# Altium PCB NURIP.PcbDoc (part 10 of 14)
Units mil, origin at the board's own origin, x right, y up, seen from the top; angles counter-clockwise.
Board outline 7096.64 x 6702.94 mil, 6 copper layers (L1, L2, L3, L4, L5, L6), stack 48.469 mil thick; 305 components, 426 nets, 2172 pads, 1040 vias.
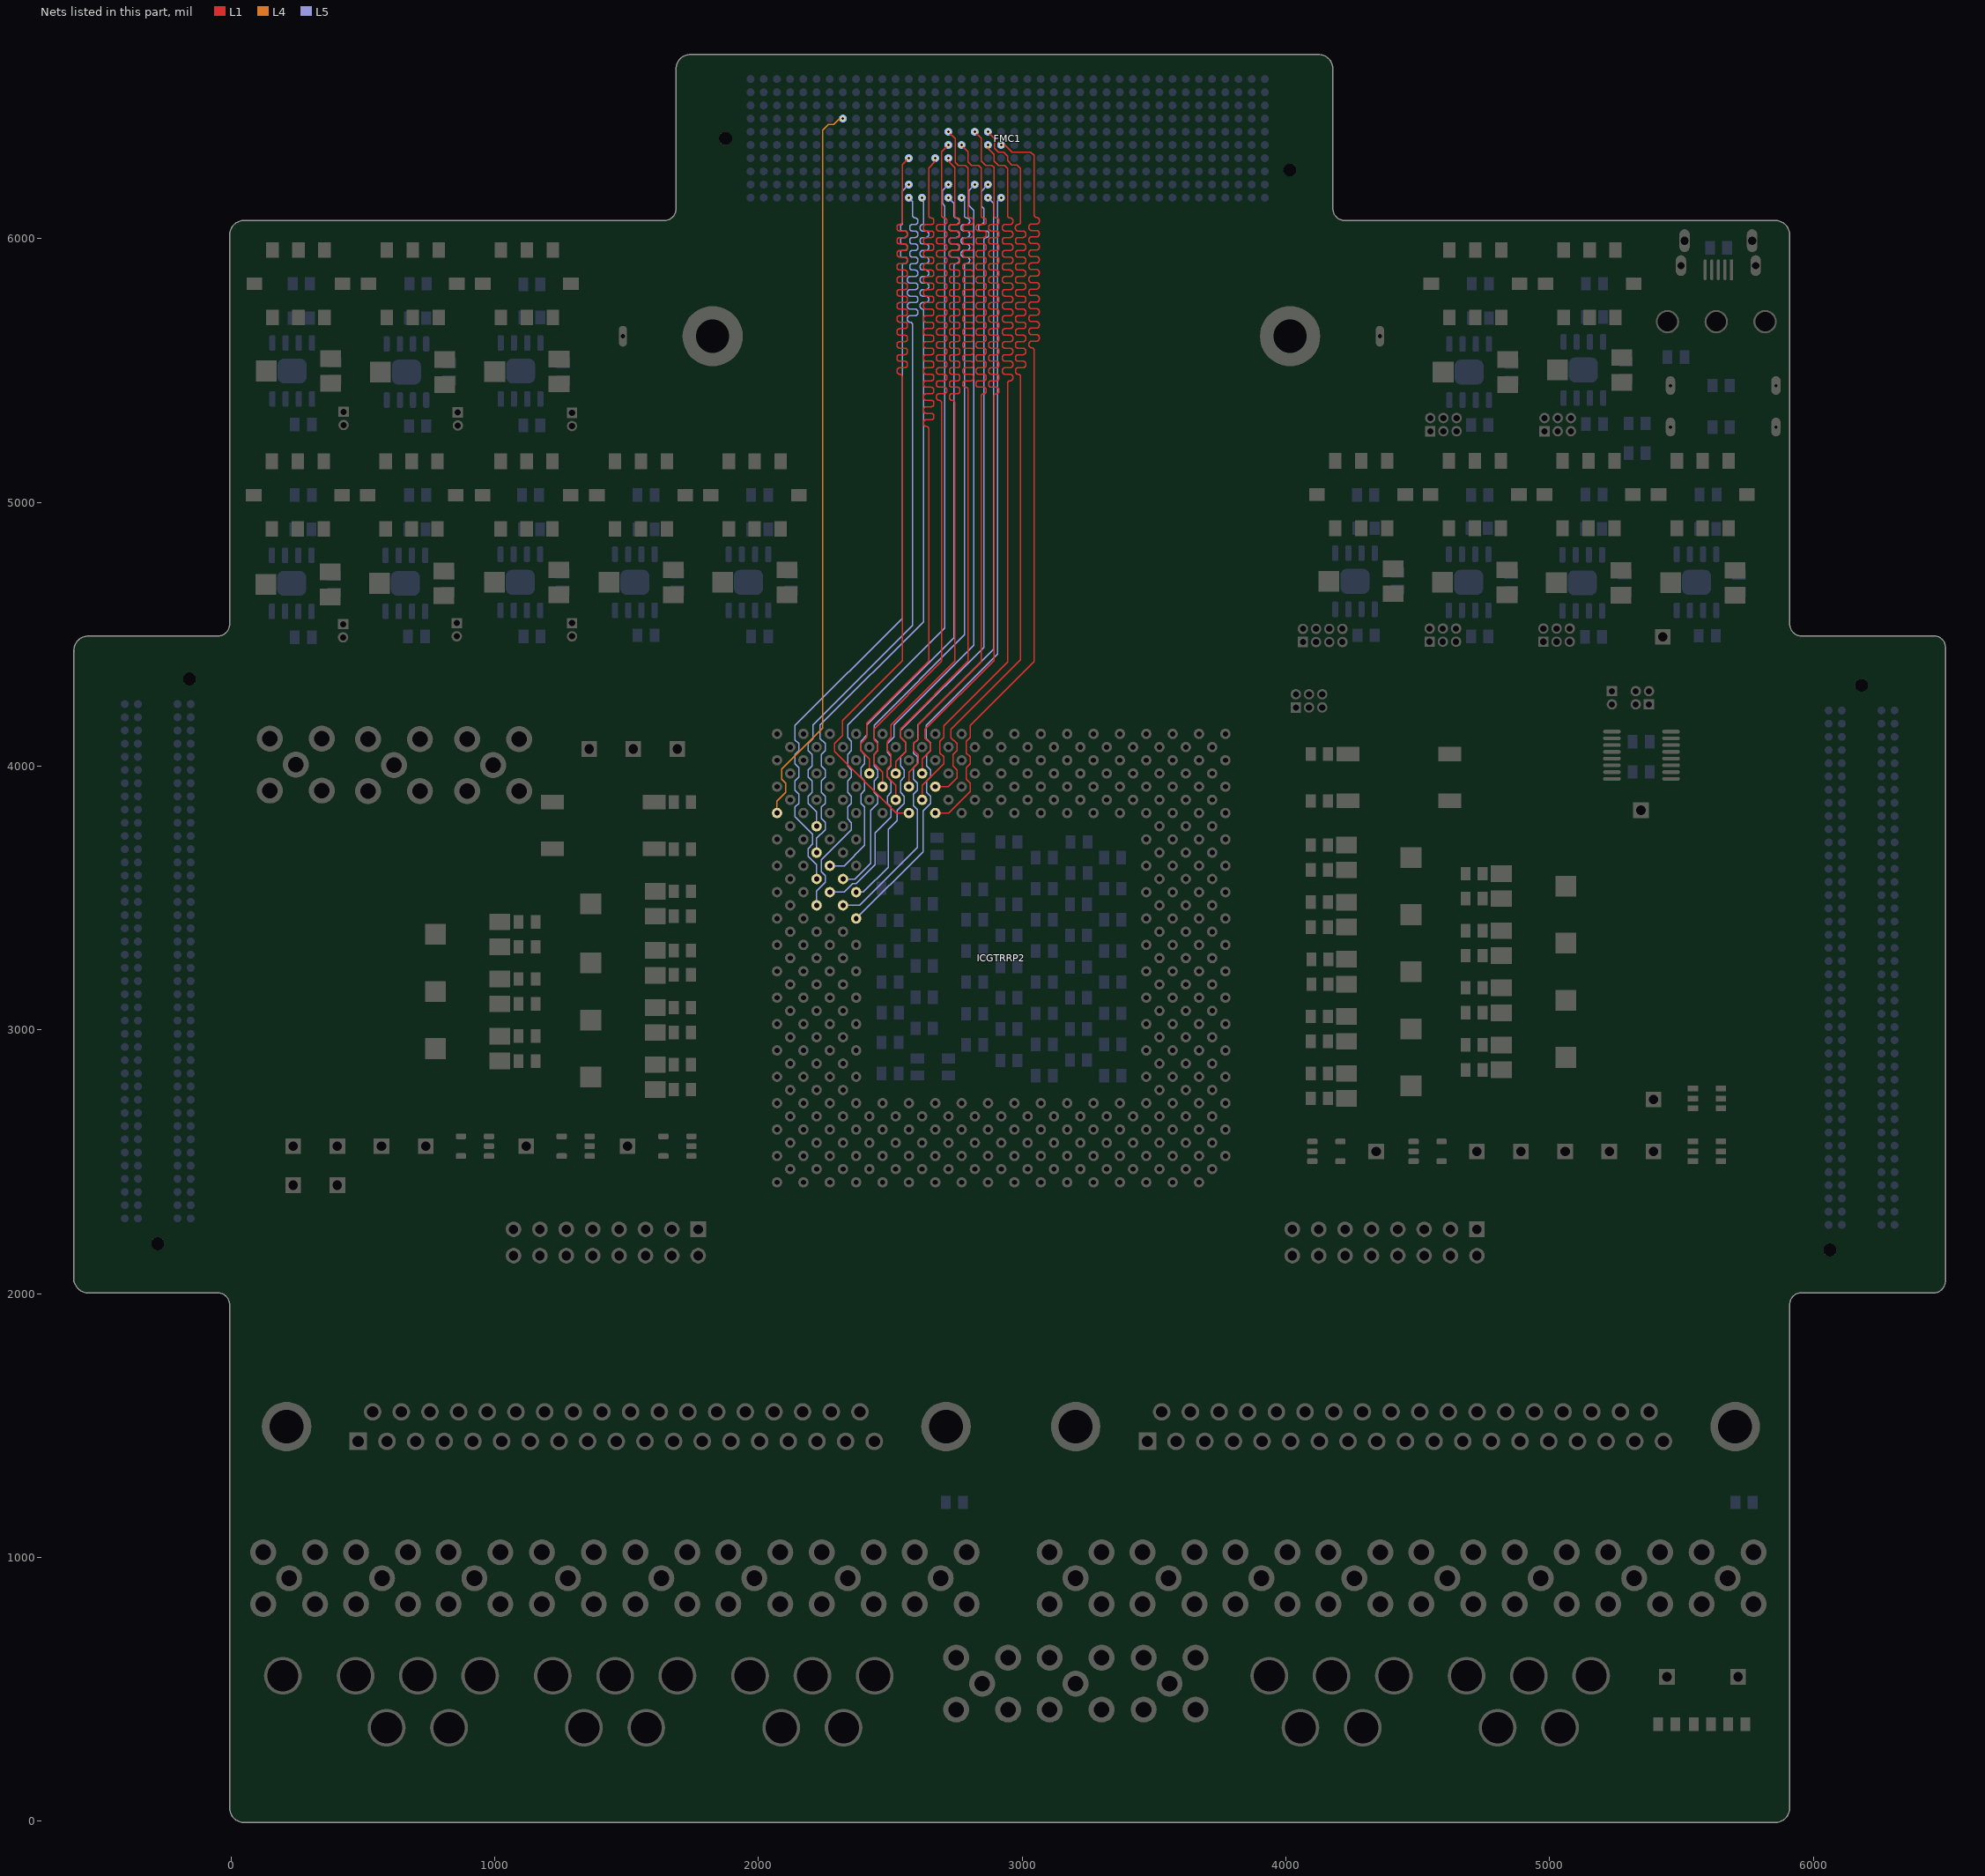
[diagram p14: the nets of this part, all layers, seen from the top]

## Via types
v1: diameter 20, hole 10, L1 to L6, tented both sides, 908 vias
v2: diameter 19.68, hole 7.87, L1 to L6, 126 vias
v3: diameter 196.85, hole 118.11, L1 to L6, 6 vias

## Nets (pads, with @x,y where several pads share a name; then routed paths per layer and width w, separated by ;. In a path a pad name is that pad's centre, name@x,y a point inside that pad or via, vN(x,y) a via of type N, cw(c..) or ccw(c..) an arc to the next point about the centre after c; other vN are vias at no path point) (continued)
OFF_MEM_ADDR(9): FMC1.K13 ICGTRRP2.AH32 | length 3004.3
  L5 w5: ICGTRRP2.AH32@2220.71,3772.2 2220.71,3826.69 2188.52,3858.87 2188.52,3885.54 2202.89,3899.91 2202.89,3944.5 2188.52,3958.87 2188.52,3985.54 2202.89,3999.91 2202.89,4044.5 2188.52,4058.87 2188.52,4085.54 2206.69,4103.71 2206.69,4155.51 2584.65,4533.46 2584.65,5673.4 ccw(c2574.79,5673.4) 2574.91,5683.25 ; v1(2570.24,6154.92) 2584.65,6140.51 2584.65,6088.06 ccw(c2594.5,6088.06) 2594.5,6078.21 cw(c2594.5,6068.33) 2604.37,6068.33 2604.37,6063.4 cw(c2594.5,6063.4) 2594.5,6053.52 2583.58,6053.52 ccw(c2583.58,6043.65) 2573.71,6043.65 2573.71,6038.71 ccw(c2583.58,6038.71) 2583.58,6028.84 2594.37,6028.84 cw(c2594.37,6018.96) 2604.25,6018.96 2604.25,6014.03 cw(c2594.37,6014.03) 2594.37,6004.15 2583.58,6004.15 ccw(c2583.58,5994.28) 2573.71,5994.28 2573.71,5989.34 ccw(c2583.58,5989.34) 2583.58,5979.47 2594.37,5979.47 cw(c2594.37,5969.59) 2604.25,5969.59 2604.25,5964.66 cw(c2594.37,5964.66) 2594.37,5954.78 2583.58,5954.78 ccw(c2583.58,5944.91) 2573.71,5944.91 2573.71,5939.97 ccw(c2583.58,5939.97) 2583.58,5930.1 2594.37,5930.1 cw(c2594.37,5920.22) 2604.25,5920.22 2604.25,5915.29 cw(c2594.37,5915.29) 2594.37,5905.41 2583.58,5905.41 ccw(c2583.58,5895.54) 2573.71,5895.54 2573.71,5890.6 ccw(c2583.58,5890.6) 2583.58,5880.73 2594.37,5880.73 cw(c2594.37,5870.85) 2604.25,5870.85 2604.25,5865.92 cw(c2594.37,5865.92) 2594.37,5856.04 2574.92,5856.04 ccw(c2574.92,5846.17) 2565.04,5846.17 2565.04,5841.23 ccw(c2574.92,5841.23) 2574.92,5831.36 2594.37,5831.36 cw(c2594.37,5821.48) 2604.25,5821.48 2604.25,5816.55 cw(c2594.37,5816.55) 2594.37,5806.67 2574.92,5806.67 ccw(c2574.92,5796.8) 2565.04,5796.8 2565.04,5791.86 ccw(c2574.92,5791.86) 2574.92,5781.99 2594.37,5781.99 cw(c2594.37,5772.11) 2604.25,5772.11 2604.25,5767.18 cw(c2594.37,5767.18) 2594.37,5757.3 2574.92,5757.3 ccw(c2574.92,5747.43) 2565.04,5747.43 2565.04,5742.49 ccw(c2574.92,5742.49) 2574.92,5732.62 2594.37,5732.62 cw(c2594.37,5722.74) 2604.25,5722.74 2604.25,5717.81 cw(c2594.37,5717.81) 2594.37,5707.93 2574.92,5707.93 ccw(c2574.92,5698.06) 2565.04,5698.06 2565.04,5693.12 ccw(c2574.92,5693.12) 2574.8,5683.25 ; 2574.8,5683.25 cw(c2574.79,5673.4) 2574.91,5683.25 ; 2574.8,5683.25 ccw(c2574.92,5693.12) 2574.91,5683.25 ; 2574.8,5683.25 2574.91,5683.25
OFF_MEM_ADDR(10): FMC1.K14 ICGTRRP2.AF32 | length 3005.2
  L5 w5: ICGTRRP2.AF32@2220.71,3672.2 2220.71,3726.69 2252.89,3758.87 2252.89,3786.99 2238.52,3801.36 2238.52,3844.5 2252.89,3858.87 2252.89,3885.54 2238.52,3899.91 2238.52,3944.5 2252.89,3958.87 2252.89,3985.54 2238.52,3999.91 2238.52,4044.5 2252.89,4058.87 2252.89,4085.54 2234.25,4104.18 2234.25,4155.51 2625.98,4547.24 2625.98,5729.6 ccw(c2622.96,5729.6) 2623.1,5732.62 ; v1(2620.24,6154.92) 2625.98,6149.17 2625.98,6056.42 cw(c2623.09,6056.42) 2623.09,6053.52 ccw(c2623.09,6043.65) 2613.21,6043.65 2613.21,6038.71 ccw(c2623.09,6038.71) 2623.09,6028.84 2635.69,6028.84 cw(c2635.69,6018.96) 2645.57,6018.96 2645.57,6014.03 cw(c2635.69,6014.03) 2635.69,6004.15 2623.11,6004.15 ccw(c2623.11,5994.28) 2613.24,5994.28 2613.23,5989.34 ccw(c2623.11,5989.34) 2623.11,5979.47 2635.69,5979.47 cw(c2635.69,5969.59) 2645.57,5969.59 2645.57,5964.66 cw(c2635.69,5964.66) 2635.69,5954.78 2623.11,5954.78 ccw(c2623.11,5944.91) 2613.24,5944.91 2613.23,5939.97 ccw(c2623.11,5939.97) 2623.11,5930.1 2635.69,5930.1 cw(c2635.69,5920.22) 2645.57,5920.22 2645.57,5915.29 cw(c2635.69,5915.29) 2635.69,5905.41 2623.11,5905.41 ccw(c2623.11,5895.54) 2613.24,5895.54 2613.23,5890.6 ccw(c2623.11,5890.6) 2623.11,5880.73 2635.69,5880.73 cw(c2635.69,5870.85) 2645.57,5870.85 2645.57,5865.92 cw(c2635.69,5865.92) 2635.69,5856.04 2623.11,5856.04 ccw(c2623.11,5846.17) 2613.24,5846.17 2613.23,5841.23 ccw(c2623.11,5841.23) 2623.11,5831.36 2635.69,5831.36 cw(c2635.69,5821.48) 2645.57,5821.48 2645.57,5816.55 cw(c2635.69,5816.55) 2635.69,5806.67 2623.11,5806.67 ccw(c2623.11,5796.8) 2613.24,5796.8 2613.23,5791.86 ccw(c2623.11,5791.86) 2623.11,5781.99 2635.69,5781.99 cw(c2635.69,5772.11) 2645.57,5772.11 2645.57,5767.18 cw(c2635.69,5767.18) 2635.69,5757.3 2623.11,5757.3 ccw(c2623.11,5747.43) 2613.23,5747.43 2613.23,5742.49 ccw(c2623.11,5742.49) 2622.98,5732.62 ; 2622.98,5732.62 cw(c2622.96,5729.6) 2623.1,5732.62 ; 2622.98,5732.62 ccw(c2623.11,5742.49) 2623.1,5732.62 ; 2622.98,5732.62 2623.1,5732.62
OFF_MEM_ADDR(11): FMC1.K16 ICGTRRP2.AE31 | length 3000.2
  L5 w5: ICGTRRP2.AE31@2270.71,3622.2 2324.96,3622.2 2402.89,3700.14 2402.89,3844.5 2388.52,3858.87 2388.52,3894.5 2402.89,3908.87 2402.89,3944.5 2388.52,3958.87 2388.52,3994.5 2402.89,4008.87 2402.89,4044.5 2388.52,4058.87 2388.52,4094.5 2411.42,4117.4 2411.42,4155.51 2742.13,4486.22 2742.13,5898.03 cw(c2749.51,5898.03) 2749.51,5905.41 ccw(c2749.51,5917.76) 2761.85,5917.76 ccw(c2749.51,5917.76) 2749.51,5930.1 2734.74,5930.1 cw(c2734.74,5942.44) 2722.4,5942.44 cw(c2734.74,5942.44) 2734.74,5954.78 2749.51,5954.78 ccw(c2749.51,5967.13) 2761.85,5967.13 ccw(c2749.51,5967.13) 2749.51,5979.47 2734.74,5979.47 cw(c2734.74,5991.81) 2722.4,5991.81 cw(c2734.74,5991.81) 2734.74,6004.15 2749.51,6004.15 ccw(c2749.51,6016.5) 2761.85,6016.5 ccw(c2749.51,6016.5) 2749.51,6028.84 2734.74,6028.84 cw(c2734.74,6041.18) 2722.4,6041.18 cw(c2734.74,6041.18) 2734.74,6053.52 2749.51,6053.52 ccw(c2749.51,6065.87) 2761.85,6065.87 ccw(c2749.51,6065.87) 2749.51,6078.21 cw(c2749.51,6085.59) 2742.13,6085.59 2742.13,6133.03 v1(2720.24,6154.92)
OFF_MEM_ADDR(12): FMC1.K17 ICGTRRP2.AD30 | length 2997.5
  L5 w5: ICGTRRP2.AD30@2320.71,3572.2 2366.23,3572.2 2425.2,3631.18 2425.2,3831.18 2452.89,3858.87 2452.89,3885.54 2438.52,3899.91 2438.52,3944.5 2452.89,3958.87 2452.89,3985.54 2438.52,3999.91 2438.52,4044.5 2452.89,4058.87 2452.89,4090.41 2438.52,4104.78 2438.52,4155.06 2781.5,4498.03 2781.5,5898.03 cw(c2788.88,5898.03) 2788.88,5905.41 ccw(c2788.88,5917.76) 2801.22,5917.76 ccw(c2788.88,5917.76) 2788.88,5930.1 2780.58,5930.1 cw(c2780.58,5942.44) 2768.24,5942.44 cw(c2780.58,5942.44) 2780.58,5954.78 2788.88,5954.78 ccw(c2788.88,5967.13) 2801.22,5967.13 ccw(c2788.88,5967.13) 2788.88,5979.47 2780.58,5979.47 cw(c2780.58,5991.81) 2768.24,5991.81 cw(c2780.58,5991.81) 2780.58,6004.15 2788.88,6004.15 ccw(c2788.88,6016.5) 2801.22,6016.5 ccw(c2788.88,6016.5) 2788.88,6028.84 2780.58,6028.84 cw(c2780.58,6041.18) 2768.24,6041.18 cw(c2780.58,6041.18) 2780.58,6053.52 2788.88,6053.52 ccw(c2788.88,6065.87) 2801.22,6065.87 ccw(c2788.88,6065.87) 2788.88,6078.21 cw(c2788.88,6085.59) 2781.5,6085.59 2781.5,6143.66 v1(2770.24,6154.92)
OFF_MEM_ADDR(13): FMC1.J13 ICGTRRP2.AD32 | length 3004
  L5 w5: ICGTRRP2.AD32@2220.71,3572.2 2220.71,3626.69 2188.52,3658.87 2188.52,3687.2 2205.71,3704.39 2205.71,3741.69 2138.52,3808.87 2138.52,3844.5 2152.89,3858.87 2152.89,3894.5 2138.52,3908.87 2138.52,3944.5 2152.89,3958.87 2152.89,3994.5 2138.52,4008.87 2138.52,4044.5 2152.89,4058.87 2152.89,4085.54 2138.52,4099.91 2138.52,4154.27 2545.28,4561.02 2545.28,5898.01 cw(c2552.68,5898.01) 2552.68,5905.41 2556.2,5905.41 ccw(c2556.2,5912.82) 2563.6,5912.82 2563.6,5922.69 ccw(c2556.2,5922.69) 2556.2,5930.1 2545.28,5930.1 cw(c2545.28,5936.17) 2539.21,5936.17 2539.21,5948.71 cw(c2545.28,5948.71) 2545.28,5954.78 2556.2,5954.78 ccw(c2556.2,5962.19) 2563.6,5962.19 2563.6,5972.06 ccw(c2556.2,5972.06) 2556.2,5979.47 2545.28,5979.47 cw(c2545.28,5985.54) 2539.21,5985.54 2539.21,5998.08 cw(c2545.28,5998.08) 2545.28,6004.15 2556.2,6004.15 ccw(c2556.2,6011.56) 2563.6,6011.56 2563.6,6021.43 ccw(c2556.2,6021.43) 2556.2,6028.84 2545.28,6028.84 cw(c2545.28,6034.91) 2539.21,6034.91 2539.21,6047.45 cw(c2545.28,6047.45) 2545.28,6053.52 2545.28,6179.96 v1(2570.24,6204.92)
OFF_MEM_ADDR(14): FMC1.J19 ICGTRRP2.AC29 | length 3007.1
  L5 w5: ICGTRRP2.AC29@2370.71,3522.2 2398.19,3522.2 2492.13,3616.14 2492.13,3759.84 2525.59,3793.31 2525.59,3831.57 2552.89,3858.87 2552.89,3885.54 2538.52,3899.91 2538.52,3944.5 2552.89,3958.87 2552.89,3985.54 2538.52,3999.91 2538.52,4035.54 2557.38,4054.39 2557.38,4090.02 2538.52,4108.87 2538.52,4135.54 2557.38,4154.39 2557.93,4154.39 2854.33,4450.79 2854.33,5994.3 cw(c2864.18,5994.3) 2864.18,6004.15 ccw(c2864.18,6014.03) 2874.06,6014.03 2874.06,6018.96 ccw(c2864.18,6018.96) 2864.18,6028.84 2844.48,6028.84 cw(c2844.48,6038.71) 2834.6,6038.71 2834.6,6043.65 cw(c2844.48,6043.65) 2844.48,6053.52 ccw(c2844.48,6063.38) 2854.33,6063.38 2854.33,6114.17 2844.49,6124.02 2844.49,6179.17 v1(2870.24,6204.92)
OFF_MEM_ADDR(15): FMC1.J18 ICGTRRP2.AC31 | length 3002
  L5 w5: ICGTRRP2.AC31@2270.71,3522.2 2325.19,3522.2 2357.38,3554.39 2371.32,3554.39 2442.91,3625.98 2442.91,3747.11 2502.89,3807.09 2502.89,3844.5 2488.52,3858.87 2488.52,3885.54 2502.89,3899.91 2502.89,3944.5 2488.52,3958.87 2488.52,3985.54 2502.89,3999.91 2502.89,4037.4 2488.52,4051.77 2488.52,4085.54 2513.78,4110.79 2513.78,4155.51 2816.93,4458.66 2816.93,6106.3 2797.74,6125.49 2797.74,6182.42 v1(2820.24,6204.92)
OFF_MEM_ADDR(16): FMC1.K19 ICGTRRP2.AB30 | length 3000.9
  L5 w5: ICGTRRP2.AB30@2320.71,3472.2 2383.95,3472.2 2602.89,3691.15 2602.89,3835.54 2588.52,3849.91 2588.52,3894.5 2602.89,3908.87 2602.89,3935.54 2588.52,3949.91 2588.52,3994.5 2602.89,4008.87 2602.89,4035.54 2588.52,4049.91 2588.52,4085.54 2604.07,4101.09 2604.07,4155.57 2891.73,4443.23 2891.73,6133.43 v1(2870.24,6154.92)
OFF_MEM_ADDR(17): FMC1.J16 ICGTRRP2.AB32 | length 3006.6
  L5 w5: ICGTRRP2.AB32@2220.71,3472.2 2220.71,3526.69 2252.89,3558.87 2252.89,3585.54 2238.52,3599.91 2238.52,3644.5 2352.89,3758.87 2352.89,3785.54 2338.52,3799.91 2338.52,3844.5 2352.89,3858.87 2352.89,3885.54 2338.52,3899.91 2338.52,3944.5 2352.89,3958.87 2352.89,3985.54 2338.52,3999.91 2338.52,4044.5 2352.89,4058.87 2352.89,4094.5 2338.52,4108.87 2338.52,4155.45 2706.69,4523.62 2706.69,6124.02 2697.74,6132.97 2697.74,6182.42 v1(2720.24,6204.92)
OFF_MEM_ADDR(18): FMC1.K20 ICGTRRP2.AA29 | length 2998.3
  L5 w5: ICGTRRP2.AA29@2370.71,3422.2 2624.02,3675.51 2624.02,3830 2652.89,3858.87 2652.89,3885.54 2638.52,3899.91 2638.52,3944.5 2652.89,3958.87 2652.89,3985.54 2638.52,3999.91 2638.52,4044.5 2652.89,4058.87 2652.89,4087.26 2635.83,4104.33 2635.83,4153.54 2906.73,4424.45 2906.73,6141.42 v1(2920.24,6154.92)
OFF_MEM_CE: FMC1.D8 ICGTRRP2.AJ35 | length 2766.6
  L4 w5: ICGTRRP2.AJ35@2070.71,3822.2 2070.71,3867.72 2102.89,3899.91 2102.89,3935.54 2088.52,3949.91 2088.52,3988.13 2244.09,4143.7 2244.09,6410.6 2265.92,6432.42 2284.78,6432.42 2307.28,6454.92 v1(2320.24,6454.92)
OFF_MEM_DIN(0): FMC1.E19 ICGTRRP2.AL23 | length 3443.8
  L1 w5: ICGTRRP2.AL23@2670.71,3922.2 2719.45,3922.2 2752.89,3955.65 2752.89,3985.54 2738.52,3999.91 2738.52,4044.5 2752.89,4058.87 2752.89,4085.54 2730.31,4108.11 2730.31,4139.76 2994.09,4403.54 2994.09,5450.79 2994.09,5475.96 ccw(c2984.28,5475.96) 2984.28,5485.77 2984.47,5485.77 cw(c2984.47,5495.64) 2974.6,5495.64 2974.6,5500.58 cw(c2984.47,5500.58) 2984.47,5510.45 2994.09,5510.45 3003.71,5510.45 ccw(c3003.71,5520.33) 3013.59,5520.33 3013.59,5525.26 ccw(c3003.71,5525.26) 3003.71,5535.14 2994.09,5535.14 2984.47,5535.14 cw(c2984.47,5545.01) 2974.6,5545.01 2974.6,5549.95 cw(c2984.47,5549.95) 2984.47,5559.82 2994.09,5559.82 3003.71,5559.82 ccw(c3003.71,5569.7) 3013.59,5569.7 3013.59,5574.63 ccw(c3003.71,5574.63) 3003.71,5584.51 2994.09,5584.51 2984.47,5584.51 cw(c2984.47,5594.38) 2974.6,5594.38 2974.6,5599.32 cw(c2984.47,5599.32) 2984.47,5609.19 2994.09,5609.19 3003.71,5609.19 ccw(c3003.71,5619.07) 3013.59,5619.07 3013.59,5624 ccw(c3003.71,5624) 3003.71,5633.88 2994.09,5633.88 2984.47,5633.88 cw(c2984.47,5643.75) 2974.6,5643.75 2974.6,5648.69 cw(c2984.47,5648.69) 2984.47,5658.56 2994.09,5658.56 3003.71,5658.56 ccw(c3003.71,5668.44) 3013.59,5668.44 3013.59,5673.37 ccw(c3003.71,5673.37) 3003.71,5683.25 2994.09,5683.25 2984.47,5683.25 cw(c2984.47,5693.12) 2974.6,5693.12 2974.6,5698.06 cw(c2984.47,5698.06) 2984.47,5707.93 2994.09,5707.93 3003.71,5707.93 ccw(c3003.71,5717.81) 3013.59,5717.81 3013.59,5722.74 ccw(c3003.71,5722.74) 3003.71,5732.62 2994.09,5732.62 2984.47,5732.62 cw(c2984.47,5742.49) 2974.6,5742.49 2974.6,5747.43 cw(c2984.47,5747.43) 2984.47,5757.3 2994.09,5757.3 3003.71,5757.3 ccw(c3003.71,5767.18) 3013.59,5767.18 3013.59,5772.11 ccw(c3003.71,5772.11) 3003.71,5781.99 2994.09,5781.99 2984.47,5781.99 cw(c2984.47,5791.86) 2974.6,5791.86 2974.6,5796.8 cw(c2984.47,5796.8) 2984.47,5806.67 2994.09,5806.67 3003.71,5806.67 ccw(c3003.71,5816.55) 3013.59,5816.55 3013.59,5821.48 ccw(c3003.71,5821.48) 3003.71,5831.36 2994.09,5831.36 2984.47,5831.36 cw(c2984.47,5841.23) 2974.6,5841.23 2974.6,5846.17 cw(c2984.47,5846.17) 2984.47,5856.04 2994.09,5856.04 3003.71,5856.04 ccw(c3003.71,5865.92) 3013.59,5865.92 3013.59,5870.85 ccw(c3003.71,5870.85) 3003.71,5880.73 2994.09,5880.73 2984.47,5880.73 cw(c2984.47,5890.6) 2974.6,5890.6 2974.6,5895.54 cw(c2984.47,5895.54) 2984.47,5905.41 2994.09,5905.41 3003.71,5905.41 ccw(c3003.71,5915.29) 3013.59,5915.29 3013.59,5920.22 ccw(c3003.71,5920.22) 3003.71,5930.1 2994.09,5930.1 2984.47,5930.1 cw(c2984.47,5939.97) 2974.6,5939.97 2974.6,5944.91 cw(c2984.47,5944.91) 2984.47,5954.78 2994.09,5954.78 3003.71,5954.78 ccw(c3003.71,5964.66) 3013.59,5964.66 3013.59,5969.59 ccw(c3003.71,5969.59) 3003.71,5979.47 2994.09,5979.47 2984.47,5979.47 cw(c2984.47,5989.34) 2974.6,5989.34 2974.6,5994.28 cw(c2984.47,5994.28) 2984.47,6004.15 2994.09,6004.15 3003.71,6004.15 ccw(c3003.71,6014.03) 3013.59,6014.03 3013.59,6018.96 ccw(c3003.71,6018.96) 3003.71,6028.84 2994.09,6028.84 2984.28,6028.84 cw(c2984.28,6038.71) 2974.41,6038.71 2974.41,6043.65 cw(c2984.28,6043.65) 2984.28,6053.52 ccw(c2984.28,6063.33) 2994.09,6063.33 2994.09,6078.21 2994.09,6090.55 2994.09,6265.75 2980.31,6279.53 2960.63,6279.53 2944.88,6295.28 2944.88,6312.1 2929.56,6327.42 2910.77,6327.42 2895.67,6342.52 2895.67,6379.49 v1(2870.24,6404.92)
OFF_MEM_DIN(1): FMC1.F20 ICGTRRP2.AJ23 | length 3443.9
  L1 w5: ICGTRRP2.AJ23@2670.71,3822.2 2721.81,3822.2 2802.89,3903.29 2802.89,3935.54 2788.52,3949.91 2788.52,3994.5 2802.89,4008.87 2802.89,4035.54 2788.52,4049.91 2788.52,4094.5 2802.89,4108.87 2802.89,4154.39 3045.28,4396.77 3045.28,5539.37 3045.28,5576.67 ccw(c3035.46,5576.67) 3035.46,5586.48 ; v1(2920.24,6354.92) 2934.45,6354.92 2961.95,6327.42 3032.81,6327.42 3045.28,6314.96 3045.28,6092.52 3045.28,6089.99 ccw(c3055.09,6089.99) 3055.09,6080.18 cw(c3055.09,6070.3) 3064.96,6070.3 3064.96,6065.37 cw(c3055.09,6065.37) 3055.09,6055.49 3045.28,6055.49 3035.71,6055.49 ccw(c3035.71,6045.62) 3025.84,6045.62 3025.84,6040.68 ccw(c3035.71,6040.68) 3035.71,6030.81 3045.28,6030.81 3054.84,6030.81 cw(c3054.84,6020.93) 3064.72,6020.93 3064.72,6016 cw(c3054.84,6016) 3054.84,6006.12 3045.28,6006.12 3035.71,6006.12 ccw(c3035.71,5996.25) 3025.84,5996.25 3025.84,5991.31 ccw(c3035.71,5991.31) 3035.71,5981.44 3045.28,5981.44 3054.84,5981.44 cw(c3054.84,5971.56) 3064.72,5971.56 3064.72,5966.63 cw(c3054.84,5966.63) 3054.84,5956.75 3045.28,5956.75 3035.71,5956.75 ccw(c3035.71,5946.88) 3025.84,5946.88 3025.84,5941.94 ccw(c3035.71,5941.94) 3035.71,5932.07 3045.28,5932.07 3054.84,5932.07 cw(c3054.84,5922.19) 3064.72,5922.19 3064.72,5917.26 cw(c3054.84,5917.26) 3054.84,5907.38 3045.28,5907.38 3035.71,5907.38 ccw(c3035.71,5897.51) 3025.84,5897.51 3025.84,5892.57 ccw(c3035.71,5892.57) 3035.71,5882.7 3045.28,5882.7 3054.84,5882.7 cw(c3054.84,5872.82) 3064.72,5872.82 3064.72,5867.89 cw(c3054.84,5867.89) 3054.84,5858.01 3045.28,5858.01 3035.71,5858.01 ccw(c3035.71,5848.14) 3025.84,5848.14 3025.84,5843.2 ccw(c3035.71,5843.2) 3035.71,5833.33 3045.28,5833.33 3054.84,5833.33 cw(c3054.84,5823.45) 3064.72,5823.45 3064.72,5818.52 cw(c3054.84,5818.52) 3054.84,5808.64 3045.28,5808.64 3035.71,5808.64 ccw(c3035.71,5798.77) 3025.84,5798.77 3025.84,5793.83 ccw(c3035.71,5793.83) 3035.71,5783.96 3045.28,5783.96 3054.84,5783.96 cw(c3054.84,5774.08) 3064.72,5774.08 3064.72,5769.15 cw(c3054.84,5769.15) 3054.84,5759.27 3045.28,5759.27 3035.71,5759.27 ccw(c3035.71,5749.4) 3025.84,5749.4 3025.84,5744.46 ccw(c3035.71,5744.46) 3035.71,5734.59 3045.28,5734.59 3054.84,5734.59 cw(c3054.84,5724.71) 3064.72,5724.71 3064.72,5719.78 cw(c3054.84,5719.78) 3054.84,5709.9 3045.28,5709.9 3035.71,5709.9 ccw(c3035.71,5700.03) 3025.84,5700.03 3025.84,5695.09 ccw(c3035.71,5695.09) 3035.71,5685.22 3045.28,5685.22 3054.84,5685.22 cw(c3054.84,5675.34) 3064.72,5675.34 3064.72,5670.41 cw(c3054.84,5670.41) 3054.84,5660.53 3045.28,5660.53 3035.71,5660.53 ccw(c3035.71,5650.66) 3025.84,5650.66 3025.84,5645.72 ccw(c3035.71,5645.72) 3035.71,5635.85 3045.28,5635.85 3054.84,5635.85 cw(c3054.84,5625.97) 3064.72,5625.97 3064.72,5621.04 cw(c3054.84,5621.04) 3054.84,5611.16 3045.28,5611.16 3035.71,5611.16 ccw(c3035.71,5601.29) 3025.84,5601.29 3025.84,5596.35 ccw(c3035.71,5596.35) 3035.71,5586.48 3035.48,5586.48
OFF_MEM_DIN(2): FMC1.E18 ICGTRRP2.AM24 | length 3434.1
  L1 w5: ICGTRRP2.AM24@2620.71,3972.2 2620.71,4026.69 2652.89,4058.87 2652.89,4085.54 2631.89,4106.54 2631.89,4139.76 2892.74,4400.61 2892.74,5383.86 2892.74,5401.86 cw(c2902.59,5401.86) 2902.59,5411.71 ccw(c2902.59,5421.59) 2912.46,5421.59 2912.46,5426.52 ccw(c2902.59,5426.52) 2902.59,5436.4 2892.74,5436.4 2882.93,5436.4 cw(c2882.93,5446.27) 2873.06,5446.27 2873.06,5451.21 cw(c2882.93,5451.21) 2882.93,5461.08 2892.74,5461.08 2902.59,5461.08 ccw(c2902.59,5470.96) 2912.46,5470.96 2912.46,5475.89 ccw(c2902.59,5475.89) 2902.59,5485.77 2892.74,5485.77 2882.93,5485.77 cw(c2882.93,5495.64) 2873.06,5495.64 2873.06,5500.58 cw(c2882.93,5500.58) 2882.93,5510.45 2892.74,5510.45 2902.59,5510.45 ccw(c2902.59,5520.33) 2912.46,5520.33 2912.46,5525.26 ccw(c2902.59,5525.26) 2902.59,5535.14 2892.74,5535.14 2882.93,5535.14 cw(c2882.93,5545.01) 2873.06,5545.01 2873.06,5549.95 cw(c2882.93,5549.95) 2882.93,5559.82 2892.74,5559.82 2902.59,5559.82 ccw(c2902.59,5569.7) 2912.46,5569.7 2912.46,5574.63 ccw(c2902.59,5574.63) 2902.59,5584.51 2892.74,5584.51 2882.93,5584.51 cw(c2882.93,5594.38) 2873.06,5594.38 2873.06,5599.32 cw(c2882.93,5599.32) 2882.93,5609.19 2892.74,5609.19 2902.59,5609.19 ccw(c2902.59,5619.07) 2912.46,5619.07 2912.46,5624 ccw(c2902.59,5624) 2902.59,5633.88 2892.74,5633.88 2882.93,5633.88 cw(c2882.93,5643.75) 2873.06,5643.75 2873.06,5648.69 cw(c2882.93,5648.69) 2882.93,5658.56 2892.74,5658.56 2902.59,5658.56 ccw(c2902.59,5668.44) 2912.46,5668.44 2912.46,5673.37 ccw(c2902.59,5673.37) 2902.59,5683.25 2892.74,5683.25 2882.93,5683.25 cw(c2882.93,5693.12) 2873.06,5693.12 2873.06,5698.06 cw(c2882.93,5698.06) 2882.93,5707.93 2892.74,5707.93 2902.59,5707.93 ccw(c2902.59,5717.81) 2912.46,5717.81 2912.46,5722.74 ccw(c2902.59,5722.74) 2902.59,5732.62 2892.74,5732.62 2882.93,5732.62 cw(c2882.93,5742.49) 2873.06,5742.49 2873.06,5747.43 cw(c2882.93,5747.43) 2882.93,5757.3 2892.74,5757.3 2902.59,5757.3 ccw(c2902.59,5767.18) 2912.46,5767.18 2912.46,5772.11 ccw(c2902.59,5772.11) 2902.59,5781.99 2892.74,5781.99 2882.93,5781.99 cw(c2882.93,5791.86) 2873.06,5791.86 2873.06,5796.8 cw(c2882.93,5796.8) 2882.93,5806.67 2892.74,5806.67 2902.59,5806.67 ccw(c2902.59,5816.55) 2912.46,5816.55 2912.46,5821.48 ccw(c2902.59,5821.48) 2902.59,5831.36 2892.74,5831.36 2882.93,5831.36 cw(c2882.93,5841.23) 2873.06,5841.23 2873.06,5846.17 cw(c2882.93,5846.17) 2882.93,5856.04 2892.74,5856.04 2902.59,5856.04 ccw(c2902.59,5865.92) 2912.46,5865.92 2912.46,5870.85 ccw(c2902.59,5870.85) 2902.59,5880.73 2892.74,5880.73 2882.93,5880.73 cw(c2882.93,5890.6) 2873.06,5890.6 2873.06,5895.54 cw(c2882.93,5895.54) 2882.93,5905.41 2892.74,5905.41 2902.59,5905.41 ccw(c2902.59,5915.29) 2912.46,5915.29 2912.46,5920.22 ccw(c2902.59,5920.22) 2902.59,5930.1 2892.74,5930.1 2882.93,5930.1 cw(c2882.93,5939.97) 2873.06,5939.97 2873.06,5944.91 cw(c2882.93,5944.91) 2882.93,5954.78 2892.74,5954.78 2902.59,5954.78 ccw(c2902.59,5964.66) 2912.46,5964.66 2912.46,5969.59 ccw(c2902.59,5969.59) 2902.59,5979.47 2892.74,5979.47 2882.93,5979.47 cw(c2882.93,5989.34) 2873.06,5989.34 2873.06,5994.28 cw(c2882.93,5994.28) 2882.93,6004.15 2892.74,6004.15 2902.59,6004.15 ccw(c2902.59,6014.03) 2912.46,6014.03 2912.46,6018.96 ccw(c2902.59,6018.96) 2902.59,6028.84 2892.74,6028.84 2882.93,6028.84 cw(c2882.93,6038.71) 2873.06,6038.71 2873.06,6043.65 cw(c2882.93,6043.65) 2882.93,6053.52 2892.74,6053.52 2902.59,6053.52 ccw(c2902.59,6063.4) 2912.46,6063.4 2912.46,6068.33 ccw(c2902.59,6068.33) 2902.59,6078.21 cw(c2902.59,6088.06) 2892.74,6088.06 2892.74,6090.55 2892.74,6270.37 2885.69,6277.42 2860.92,6277.42 2844.49,6293.85 2844.49,6380.67 v1(2820.24,6404.92)